# Altium PCB X98_CARRIER_V1R2_12082022.PcbDoc (part 1 of 10) (continued)
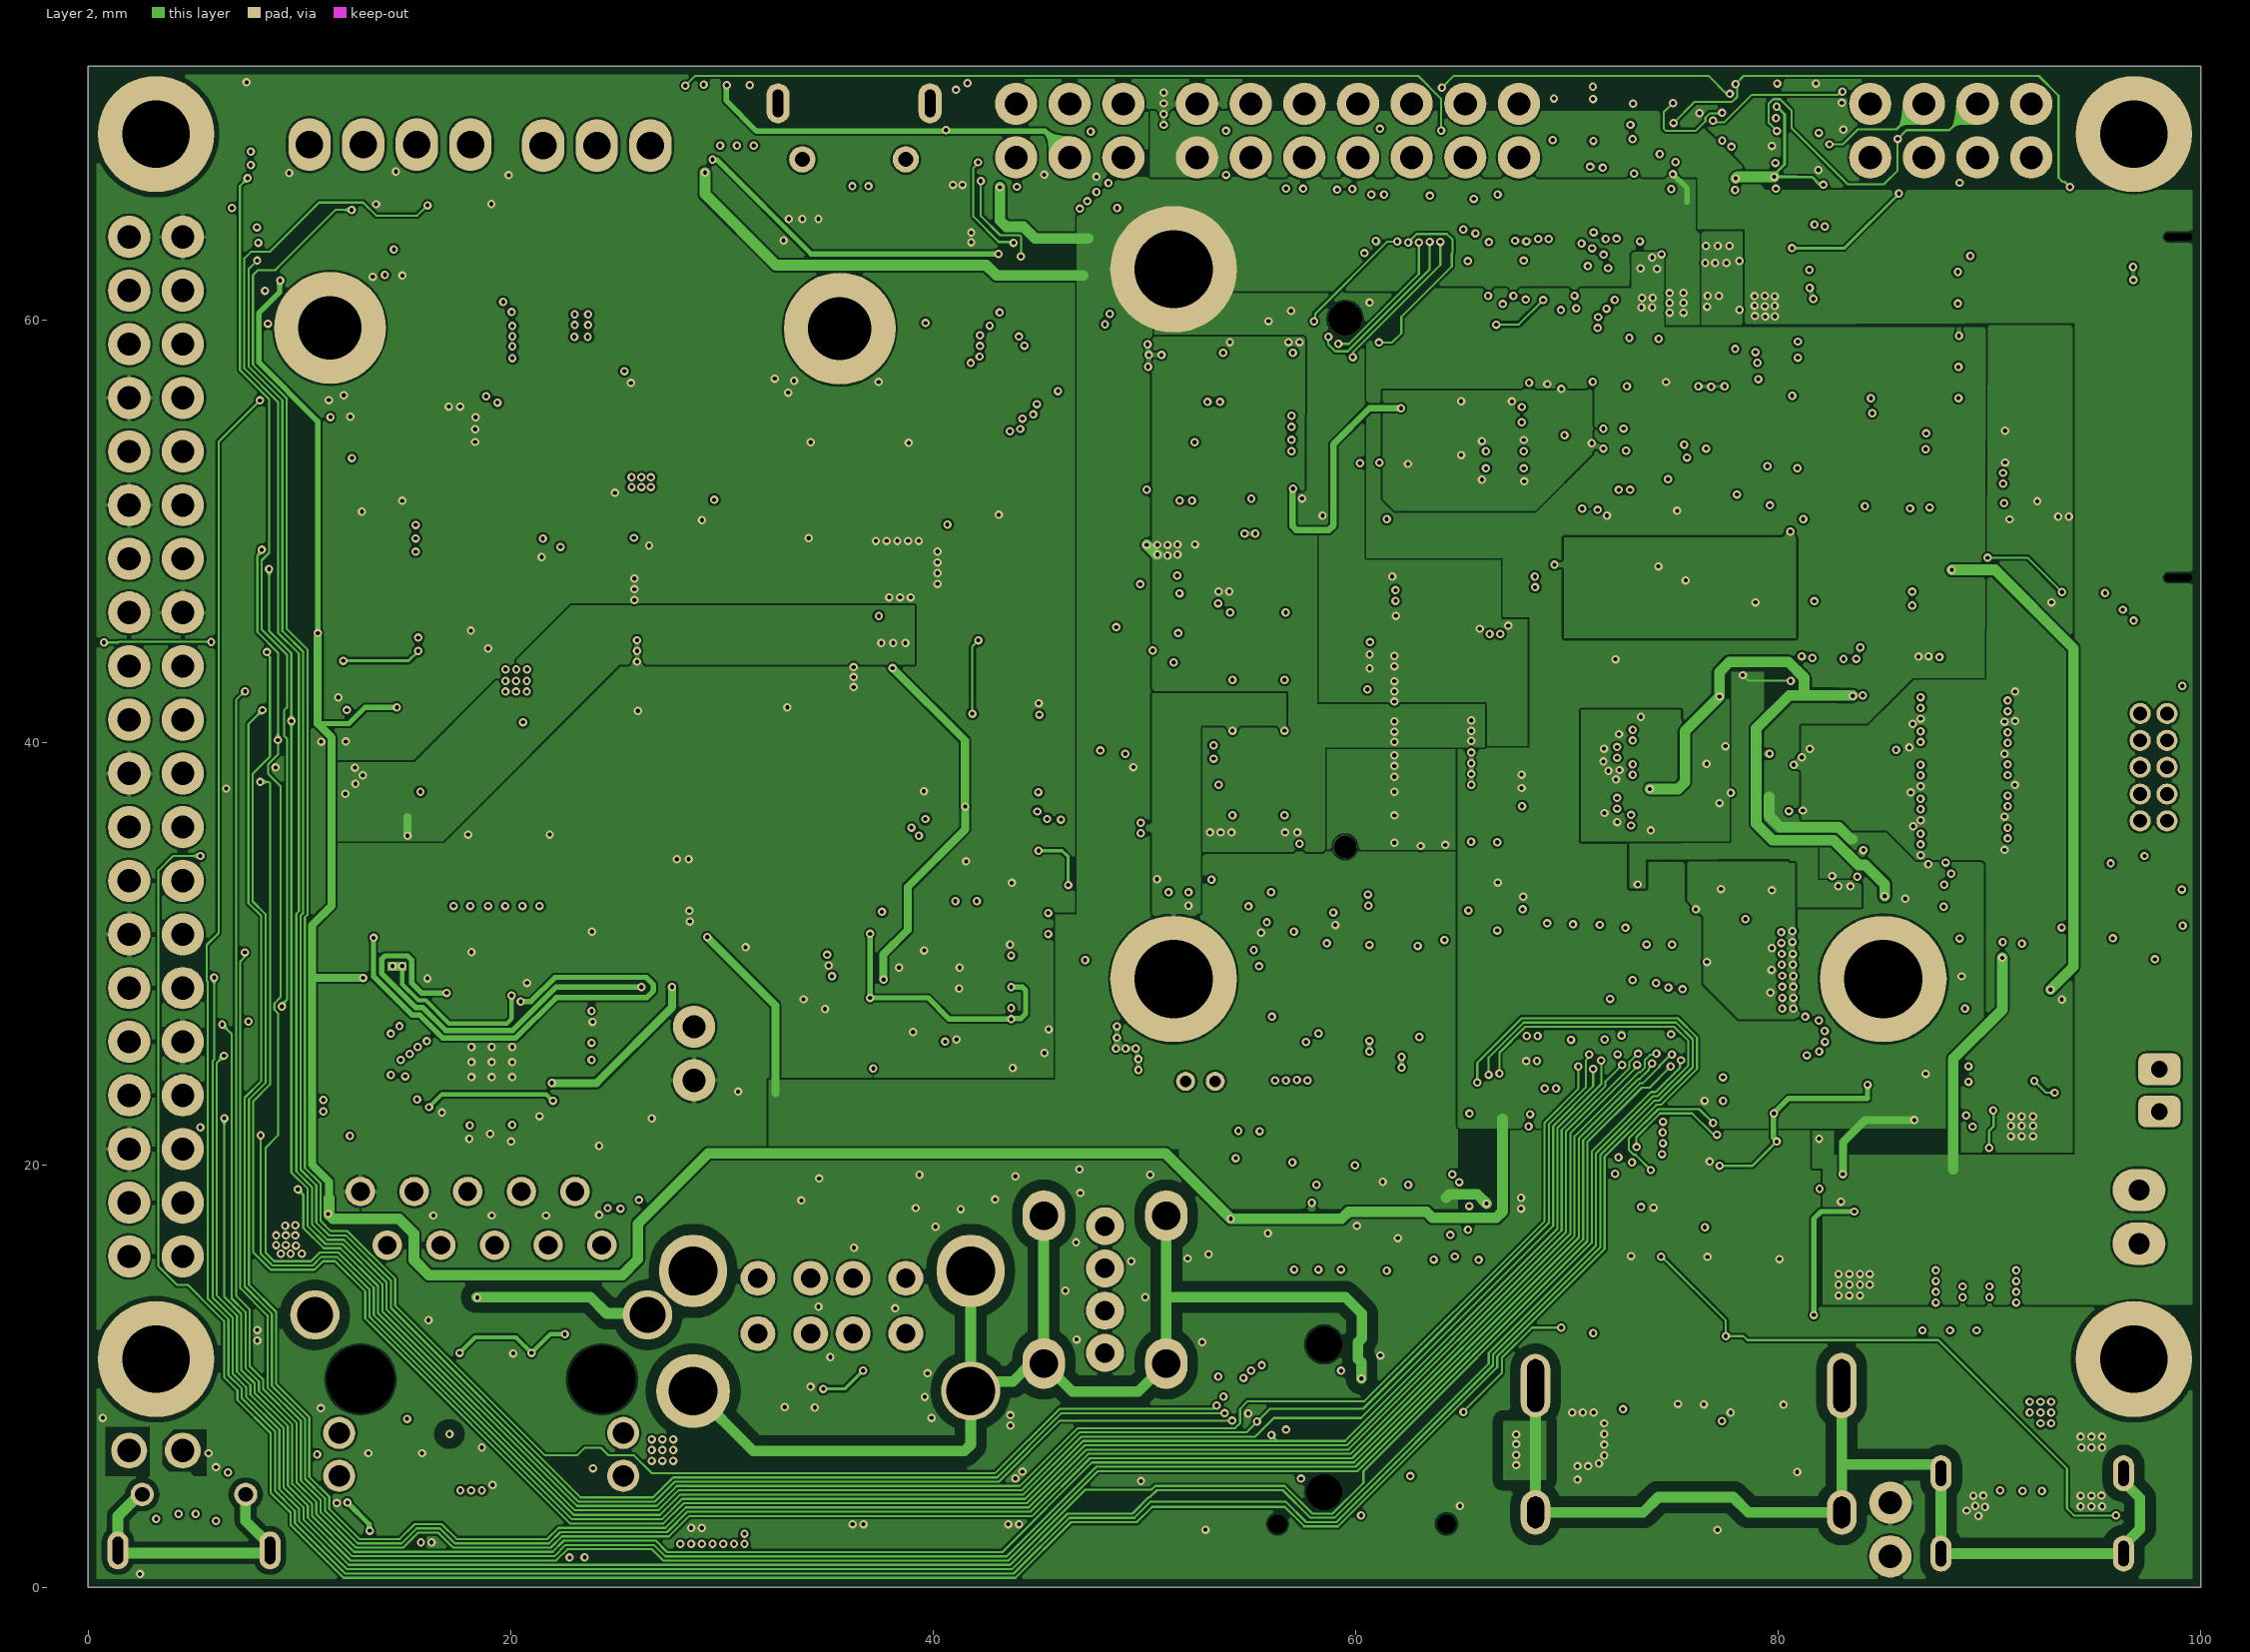
[diagram p3: Layer 2]

## Layer stack, top to bottom
Top Solder: solder mask 0.0102, Solder Resist, Dk 3.5
Top Layer: signal copper 0.0356
Dielectric 2: prepreg 0.066, PP-004, Dk 3.8
Layer 1: signal copper 0.035
Dielectric 4: core 0.4064, Core-034, Dk 4.6
Dielectric 1: core 0.4572, Core-035, Dk 4.7
Dielectric 5: core 0.4064, Core-034, Dk 4.6
Layer 2: signal copper 0.035
Dielectric 3: prepreg 0.066, PP-004, Dk 3.8
Bottom Layer: signal copper 0.0356
Bottom Solder: solder mask 0.0102, Solder Resist, Dk 3.5

## Board outline
0,0 100,0 100,72 0,72

## Design rules (kind name [scope] priority, off if disabled: settings)
BoardOutlineClearance BoardOutlineClearance_2 [InComponent('SW1001')] p1: gap=0.178 ignorepadtopadclearanceinfootprint=FALSE except(0: Arc-SplitContinuation Track-SplitContinuation SMDPad-SplitContinuation THPad-SplitContinuation Via-SplitContinuation Fill-SplitContinuation Poly-SplitContinuation Region-SplitContinuation Text-SplitContinuation)
BoardOutlineClearance BoardOutlineClearance_1 [(OnLayer('Bottom Overlay') OR OnLayer('Top Overlay'))] p2: gap=0 ignorepadtopadclearanceinfootprint=FALSE
BoardOutlineClearance [All] p3: gap=0.381 ignorepadtopadclearanceinfootprint=FALSE except(0: Arc-SplitContinuation Track-SplitContinuation SMDPad-SplitContinuation THPad-SplitContinuation Via-SplitContinuation Fill-SplitContinuation Poly-SplitContinuation Region-SplitContinuation Text-SplitContinuation)
Clearance Clearance_8 [InNet('NetCON800_G1')] p1: gap=0.254 ignorepadtopadclearanceinfootprint=FALSE
Clearance Clearance_7 [InComponent('U500') vs InNet('CHASIS')] p2: gap=0.102 ignorepadtopadclearanceinfootprint=FALSE except(0: Arc-Hole Track-Hole SMDPad-Hole THPad-Hole Via-Hole Fill-Hole Poly-Hole Region-Hole Text-Hole)
Clearance Clearance_6 [(InNet('NetC803_1') OR InNet('NetCON800_5')) vs InNet('CHASIS')] p3: gap=0.254 ignorepadtopadclearanceinfootprint=FALSE
Clearance Clearance_5 [(InComponent('CON800') OR InComponent('CON602') OR InComponent('C925')) vs InNet('CHASIS')] p4: gap=0.254 ignorepadtopadclearanceinfootprint=FALSE
Clearance Clearance_4 [OnLayer('Keep-Out Layer') vs InNet('CHASIS')] p5: gap=0.381 ignorepadtopadclearanceinfootprint=FALSE
Clearance Clearance_3 [All vs InNet('CHASIS')] p6: gap=0.508 ignorepadtopadclearanceinfootprint=FALSE
Clearance Clearance_1 [OnLayer('Keep-Out Layer')] p7: gap=0.381 ignorepadtopadclearanceinfootprint=FALSE except(0: Arc-Hole Track-Hole SMDPad-Hole THPad-Hole Via-Hole Fill-Hole Poly-Hole Region-Hole Text-Hole)
Clearance Clearance_2 [(InDifferentialPairClass('All Differential Pairs'))] p8: gap=0.102 ignorepadtopadclearanceinfootprint=FALSE except(0: Arc-Hole Track-Hole SMDPad-Hole THPad-Hole Via-Hole Fill-Hole Poly-Hole Region-Hole Text-Hole; 0.254: Arc-Fill Arc-Poly Arc-Region Track-Fill Track-Poly Track-Region Fill-Fill Fill-Poly Fill-Region Poly-Poly Poly-Region Region-Region)
Clearance [All] p9: gap=0.102 ignorepadtopadclearanceinfootprint=FALSE except(0: Arc-Hole Track-Hole SMDPad-Hole THPad-Hole Via-Hole Fill-Hole Poly-Hole Region-Hole Text-Hole)
ComponentClearance "CON USB ETH" [(InComponent('CON300') OR InComponent('CON900'))] p1: gap=0 collisioncheckmode=3 verticalgap=0.102 showdistances=TRUE
ComponentClearance lt812 [InComponent('U600')] p2: gap=0 collisioncheckmode=3 verticalgap=0.025 showdistances=FALSE
ComponentClearance ComponentClearance_1 [All] p3: gap=-0.025 collisioncheckmode=3 verticalgap=2540 showdistances=TRUE
DiffPairsRouting "Schematic Differential Pairs Routing" [InNetClass('ETH100')] p1: maxlimit=0.652 minlimit=0.127 mostfreqgap=0.652 toplayer_maxgap=0.254 toplayer_prefgap=0.142 toplayer_minwidth=0.102 toplayer_maxwidth=0.381 toplayer_prefwidth=0.102 midlayer1_minwidth=0.076 midlayer1_maxwidth=0.381 midlayer1_prefwidth=0.076 midlayer2_minwidth=0.076 midlayer2_maxwidth=0.381 midlayer2_prefwidth=0.076 bottomlayer_maxgap=0.254 bottomlayer_prefgap=0.142 bottomlayer_minwidth=0.102 bottomlayer_maxwidth=0.381 bottomlayer_prefwidth=0.102 impedanceprofiledriven=TRUE impedanceprofileid={9FBB3293-30A2-49BF-8ADF-8E6D37554442} impedanceprofilevalue=100.000000 maxuncoupledlength=12.7
DiffPairsRouting "120 OHM DIFF" [InDifferentialPairClass('120 OHM')] p2: maxlimit=0.272 minlimit=0.127 mostfreqgap=0.272 toplayer_mingap=0.272 toplayer_minwidth=0.102 toplayer_maxwidth=0.102 toplayer_prefwidth=0.102 midlayer1_maxgap=0.127 midlayer1_prefgap=0.127 midlayer1_minwidth=0.028 midlayer1_maxwidth=0.028 midlayer1_prefwidth=0.028 midlayer2_maxgap=0.127 midlayer2_prefgap=0.127 midlayer2_minwidth=0.028 midlayer2_maxwidth=0.028 midlayer2_prefwidth=0.028 bottomlayer_mingap=0.272 bottomlayer_minwidth=0.102 bottomlayer_maxwidth=0.102 bottomlayer_prefwidth=0.102 impedanceprofiledriven=TRUE impedanceprofileid={A5C14433-478B-43AE-BEC5-EB8F7158DBB7} impedanceprofilevalue=110.000000 maxuncoupledlength=12.7
DiffPairsRouting "100 OHM DIFF" [(InDifferentialPairClass('DIFF CSI 100 OHM') OR InDifferentialPairClass('ETHERNET 100 OHM') OR InDifferentialPairClass('DIFF DSI 100 OHM') OR InDifferentialPairClass('DIFF LVDS 100 OHM') OR InDifferentialPairClass('DIFF HDMI 100 OHM'))] p3: maxlimit=0.652 minlimit=0.142 mostfreqgap=0.652 toplayer_maxgap=0.142 toplayer_prefgap=0.142 toplayer_minwidth=0.102 toplayer_maxwidth=0.102 toplayer_prefwidth=0.102 midlayer1_mingap=0.652 midlayer1_minwidth=0.076 midlayer1_maxwidth=0.076 midlayer1_prefwidth=0.076 midlayer2_mingap=0.652 midlayer2_minwidth=0.076 midlayer2_maxwidth=0.076 midlayer2_prefwidth=0.076 bottomlayer_maxgap=0.142 bottomlayer_prefgap=0.142 bottomlayer_minwidth=0.102 bottomlayer_maxwidth=0.102 bottomlayer_prefwidth=0.102 impedanceprofiledriven=TRUE impedanceprofileid={9FBB3293-30A2-49BF-8ADF-8E6D37554442} impedanceprofilevalue=100.000000 maxuncoupledlength=12.7
DiffPairsRouting "90 OHM DIFF" [InDifferentialPairClass('USB 90 OHM DIFF')] p4: maxlimit=0.166 minlimit=0.102 mostfreqgap=0.166 toplayer_maxgap=0.102 toplayer_prefgap=0.102 toplayer_minwidth=0.114 toplayer_maxwidth=0.114 toplayer_prefwidth=0.114 midlayer1_mingap=0.166 midlayer1_minwidth=0.071 midlayer1_maxwidth=0.071 midlayer1_prefwidth=0.071 midlayer2_mingap=0.166 midlayer2_minwidth=0.071 midlayer2_maxwidth=0.071 midlayer2_prefwidth=0.071 bottomlayer_maxgap=0.102 bottomlayer_prefgap=0.102 bottomlayer_minwidth=0.114 bottomlayer_maxwidth=0.114 bottomlayer_prefwidth=0.114 impedanceprofiledriven=TRUE impedanceprofileid={5B2A933F-497D-42E0-94AC-0506C8A0F68D} impedanceprofilevalue=90.000000 maxuncoupledlength=12.7
DiffPairsRouting "85 OHM DIFF" [InDifferentialPairClass('DIFF PCIe 85 OHM')] p5: maxlimit=0.127 minlimit=0.102 mostfreqgap=0.127 toplayer_maxgap=0.102 toplayer_prefgap=0.102 toplayer_minwidth=0.128 toplayer_maxwidth=0.128 toplayer_prefwidth=0.128 midlayer1_mingap=0.127 midlayer1_minwidth=0.072 midlayer1_maxwidth=0.072 midlayer1_prefwidth=0.072 midlayer2_mingap=0.127 midlayer2_minwidth=0.072 midlayer2_maxwidth=0.072 midlayer2_prefwidth=0.072 bottomlayer_maxgap=0.102 bottomlayer_prefgap=0.102 bottomlayer_minwidth=0.128 bottomlayer_maxwidth=0.128 bottomlayer_prefwidth=0.128 impedanceprofiledriven=TRUE impedanceprofileid={BACEDBAA-0EAD-4FB3-8CFC-D51ABC442257} impedanceprofilevalue=85.000000 maxuncoupledlength=12.7
HoleSize [All] p1: absolutevalues=TRUE maxlimit=5 minlimit=0.2 maxpercent=80.000 minpercent=20.000
MatchedLengths ETH_DIFF [InDifferentialPairClass('ETHERNET 100 OHM')] p1: tolerance=25.4 checknetsindiffpair=TRUE checkdiffpairvsdiffpair=FALSE checkxsignals=FALSE checkothers=FALSE usedelayunits=TRUE delaytolerance=1.000000
MatchedLengths USB [InDifferentialPairClass('USB 90 OHM DIFF')] p2: tolerance=25.4 checknetsindiffpair=TRUE checkdiffpairvsdiffpair=FALSE checkxsignals=FALSE checkothers=FALSE usedelayunits=TRUE delaytolerance=1.000000
MatchedLengths PCIe2 [InDifferentialPairClass('DIFF PCIe 85 OHM')] p3: tolerance=0.003 checknetsindiffpair=TRUE checkdiffpairvsdiffpair=FALSE checkxsignals=FALSE checkothers=FALSE usedelayunits=TRUE delaytolerance=1.000000
MatchedLengths DSI2 [InDifferentialPairClass('DIFF DSI 100 OHM')] p4: tolerance=0.003 checknetsindiffpair=TRUE checkdiffpairvsdiffpair=FALSE checkxsignals=FALSE checkothers=FALSE usedelayunits=TRUE delaytolerance=2.000000
MatchedLengths DSI1 [InDifferentialPairClass('DIFF DSI 100 OHM')] p5: tolerance=0.003 checknetsindiffpair=FALSE checkdiffpairvsdiffpair=TRUE checkxsignals=TRUE checkothers=TRUE usedelayunits=TRUE delaytolerance=2.000000
MatchedLengths CSI2 [InDifferentialPairClass('DIFF CSI 100 OHM')] p6: tolerance=25.4 checknetsindiffpair=TRUE checkdiffpairvsdiffpair=FALSE checkxsignals=FALSE checkothers=FALSE usedelayunits=TRUE delaytolerance=2.000000
MatchedLengths CSI1 [InDifferentialPairClass('DIFF CSI 100 OHM')] p7: tolerance=25.4 checknetsindiffpair=FALSE checkdiffpairvsdiffpair=TRUE checkxsignals=TRUE checkothers=TRUE usedelayunits=TRUE delaytolerance=5.000000
MatchedLengths "LVDS 1" [InDifferentialPairClass('DIFF LVDS 100 OHM')] p8: tolerance=25.4 checknetsindiffpair=FALSE checkdiffpairvsdiffpair=TRUE checkxsignals=TRUE checkothers=TRUE usedelayunits=TRUE delaytolerance=10.000000
MatchedLengths LVDS2 [InDifferentialPairClass('DIFF LVDS 100 OHM')] p9: tolerance=25.4 checknetsindiffpair=TRUE checkdiffpairvsdiffpair=FALSE checkxsignals=FALSE checkothers=FALSE usedelayunits=TRUE delaytolerance=2.000000
MinimumSolderMaskSliver [All] p1: minsoldermaskwidth=0.08
PolygonConnect COMPONENT [(InComponent('U802') OR InComponent('C801') OR InComponent('L1305') OR InComponent('C1102','L1101','L805'))] p1: thpad.connectstyle=Relief thpad.reliefconductorwidth=0.102 thpad.reliefentries=4 thpad.polygonreliefangle="90 Angle" thpad.airgapwidth=0.102 smdpad.connectstyle=Relief smdpad.reliefconductorwidth=0.203 smdpad.reliefentries=4 smdpad.polygonreliefangle="90 Angle" smdpad.airgapwidth=0.102 via.connectstyle=Direct via.reliefconductorwidth=0.102 via.reliefentries=4 via.polygonreliefangle="90 Angle" via.airgapwidth=0.102
PolygonConnect GND [(InNet('GND') OR InNet('CHASIS'))] p2: thpad.connectstyle=Relief thpad.reliefconductorwidth=0.203 thpad.reliefentries=4 thpad.polygonreliefangle="90 Angle" thpad.airgapwidth=0.102 smdpad.connectstyle=Relief smdpad.reliefconductorwidth=0.203 smdpad.reliefentries=4 smdpad.polygonreliefangle="90 Angle" smdpad.airgapwidth=0.102 via.connectstyle=Direct via.reliefconductorwidth=0.254 via.reliefentries=4 via.polygonreliefangle="90 Angle" via.airgapwidth=0.254
PolygonConnect GENERAL [All] p3: connectstyle=Direct reliefconductorwidth=0.254 reliefentries=4 polygonreliefangle="90 Angle" airgapwidth=0.254
RoomDefinition "13 CAN RS232 485" [InComponentClass('13 CAN RS232 485')] p1: confinementstyle=ConfineIn formatcopy=TRUE lockcomponents=FALSE outline -25,-25 25.8,-25 25.8,0.4 -25,0.4
RoomDefinition "12 CONSOLE" [InComponentClass('12 CONSOLE')] p2: confinementstyle=ConfineIn formatcopy=TRUE lockcomponents=FALSE outline -25,-25 25.8,-25 25.8,0.4 -25,0.4
RoomDefinition "11 EXPANSION CN" [InComponentClass('11 EXPANSION CN')] p3: confinementstyle=ConfineIn formatcopy=TRUE lockcomponents=FALSE outline -25,-25 25.8,-25 25.8,0.4 -25,0.4
RoomDefinition "09 USB HUB" [InComponentClass('09 USB HUB')] p4: confinementstyle=ConfineIn formatcopy=TRUE lockcomponents=FALSE outline -25,-25 25.8,-25 25.8,0.4 -25,0.4
RoomDefinition "08 USB OTG & POWER" [InComponentClass('08 USB OTG & POWER')] p5: confinementstyle=ConfineIn formatcopy=TRUE lockcomponents=FALSE outline -25,-25 25.8,-25 25.8,0.4 -25,0.4
RoomDefinition "07 MIPI CSI" [InComponentClass('07 MIPI CSI')] p6: confinementstyle=ConfineIn formatcopy=TRUE lockcomponents=FALSE outline -25,-25 25.8,-25 25.8,0.4 -25,0.4
RoomDefinition "06 MIPI-DSI to HDMI" [InComponentClass('06 MIPI-DSI to HDMI')] p7: confinementstyle=ConfineIn formatcopy=TRUE lockcomponents=FALSE outline -25,-25 25.8,-25 25.8,0.4 -25,0.4
RoomDefinition "05 MICROSD" [InComponentClass('05 MICROSD')] p8: confinementstyle=ConfineIn formatcopy=TRUE lockcomponents=FALSE outline -25,-25 25.8,-25 25.8,0.4 -25,0.4
RoomDefinition "04 PCIe" [InComponentClass('04 PCIe')] p9: confinementstyle=ConfineIn formatcopy=TRUE lockcomponents=FALSE outline -25,-25 25.8,-25 25.8,0.4 -25,0.4
RoomDefinition "03 ETHERNET 1 Gbps" [InComponentClass('03 ETHERNET 1 Gbps')] p10: confinementstyle=ConfineIn formatcopy=TRUE lockcomponents=FALSE outline -25,-25 25.8,-25 25.8,0.4 -25,0.4
RoomDefinition "02 AUDIO CODEC" [InComponentClass('02 AUDIO CODEC')] p11: confinementstyle=ConfineIn formatcopy=TRUE lockcomponents=FALSE outline 101.238,1.543 107.715,1.543 107.715,7.893 101.238,7.893
RoomDefinition "01 SoM IO INTERFACE" [InComponentClass('01 SoM IO INTERFACE')] p12: confinementstyle=ConfineIn formatcopy=TRUE lockcomponents=FALSE outline -25,-25 25.8,-25 25.8,0.4 -25,0.4
RoomDefinition "10 BOOT" [InComponentClass('10 BOOT')] p13: confinementstyle=ConfineIn formatcopy=TRUE lockcomponents=FALSE outline -25,-25 25.8,-25 25.8,0.4 -25,0.4
RoutingVias [All] p1: holewidth=0.2 width=0.4 viastyle="Through Hole" minholewidth=0.2 minwidth=0.4 maxholewidth=3 maxwidth=3
SilkToSilkClearance [All] p1: silktosilkclearance=0
SilkToSolderMaskClearance [IsPad] p1: minsilkscreentomaskgap=0.025 clearancetoexposedcopper=TRUE
SolderMaskExpansion [All] p1: expansion=0.051 istentingtop=FALSE
Width "Schematic Width Constraint" [InNetClass('ETH50')] p1: maxlimit=0.254 minlimit=0.076 preferedwidth=0.113 toplayer_minwidth=0.112 midlayer1_prefwidth=0.076 midlayer2_prefwidth=0.076 bottomlayer_minwidth=0.112 impedanceprofiledriven=TRUE impedanceprofileid={7B85B2F7-F9B6-4C59-8DFA-0B2C31FA0169} impedanceprofilevalue=50.000000 minimp=50.000000 maximp=50.000000 favimp=50.000000
Width [All] p2: maxlimit=7.62 minlimit=0.102 preferedwidth=0.102
24 further rules are at their usual default settings.

## Classes and differential pairs
differential pair class ETH100: MDI0 MDI1 MDI2 MDI3
net class N000-30_[0..3]: N000-30_0 N000-30_1
net class N000-29_[0..3]: N000-29_0 N000-29_1 N000-29_2
net class N000-28_[0..3]: N000-29_0 N000-29_1
net class N000-27_[0..5]: N000-28_0 N000-28_1
net class N000-25_[0..2]: N000-27_0 N000-27_1 N000-27_2
net class N000-24_[0..14]: N000-25_0 N000-25_1
net class N000-23_[0..9]: N000-24_0 N000-24_1 N000-24_2 N000-24_3
net class N000-22_[0..2]: N000-23_0 N000-23_1 N000-23_2 N000-23_3 N000-23_4 N000-23_5 N000-23_6 N000-23_7 N000-23_8 N000-23_9 N000-23_10 N000-23_11
net class N000-21_[0..1]: N000-22_0 N000-22_1
net class N000-20_[0..1]: N000-21_0 N000-21_1 N000-21_2 N000-21_3 N000-21_4 N000-21_5
net class N000-19_[0..1]: N000-20_0 N000-20_1 N000-20_2 N000-20_3 N000-20_4 N000-20_5 N000-20_6 N000-20_7 N000-20_8 N000-20_9
net class N000-18_[0..0]: N000-19_0 N000-19_1 N000-19_2 N000-19_3 N000-19_4 N000-19_5 N000-19_6 N000-19_7 N000-19_8 N000-19_9
net class N000-17_[0..3]: N000-18_0 N000-18_1 N000-18_2 N000-18_3
net class N000-16_[0..3]: N000-17_0 N000-17_1 N000-17_2
net class N000-15_[0..11]: N000-16_0 N000-16_1 N000-16_2 N000-16_3 N000-16_4 N000-16_5 N000-16_6 N000-16_7 N000-16_8 N000-16_9 N000-16_10 N000-16_11 N000-16_12 N000-16_13 N000-16_14 N000-16_15
net class N000-14_[0..3]: N000-15_0 N000-15_1 N000-15_2 N000-15_3 N000-15_4 N000-15_5 N000-15_6 N000-15_7 N000-15_8 N000-15_9 N000-15_10 N000-15_11 N000-15_12 N000-15_13 N000-15_14
net class N000-13_[0..2]: N000-13_0 N000-13_1
net class N000-12_[0..1]: N000-12_0
net class N000-11_[0..9]: N000-10_0 N000-10_1
net class N000-9_[0..3]: N000-9_0 N000-9_1
net class N000-8_[0..3]: N000-7_0 N000-7_1 N000-7_2 N000-7_3
net class N000-7_[0..2]: N000-6_0 N000-6_1 N000-6_2 N000-6_3
net class N000-6_[0..4]: N000-5_0 N000-5_1 N000-5_2 N000-5_3 N000-5_4 N000-5_5
net class N000-5_[0..1]: N000-4_0 N000-4_1 N000-4_2 N000-4_3
net class N000-4_[0..15]: N000-3_0 N000-3_1 N000-3_2 N000-3_3 N000-3_4 N000-3_5 N000-3_6 N000-3_7 N000-3_8
net class N000-3_[0..1]: N000-1_0 N000-1_1 N000-1_2 N000-1_3 N000-1_4
net class N000-10_[0..5]: N000-26_0 N000-26_1 N000-26_2 N000-26_3
net class N000-2_[0..1]: N000-11_0 N000-11_1 N000-11_2
net class N000-1_[0..8]: N000-8_0 N000-8_1 N000-8_2
net class ETH100: MDI0_N MDI0_P MDI1_N MDI1_P MDI2_N MDI2_P MDI3_N MDI3_P N000-14_0 N000-14_1 N000-14_2 N000-14_3
net class ETH50: ENET_RD0 ENET_RD1 ENET_RD2 ENET_RD3 ENET_RX_CTL ENET_RXC ENET_TD0 ENET_TD1 ENET_TD2 ENET_TD3 ENET_TX_CTL ENET_TXC N000-2_0 N000-2_1 N000-2_2 N000-2_3
component class "13 CAN RS232 485": C1300 C1301 C1302 C1303 C1304 C1305 C1306 C1307 C1308 C1309 C1310 C1311 C1312 C1313 C1314 C1315 C1316 C1317 C1318 CON1300 D1300 D1301 L1300 L1301 L1302 L1303 L1304 L1305 L1306 L1307 L1308 L1309 L1310 Q1300 R1300 R1301 R1302 R1303 R1304 R1305 R1306 R1307 R1308 R1309 R1310 R1311 R1312 R1313 R1314 R1315 R1316 R1317 R1318 R1319 R1320 R1321 R1322 R1323 R1324 R1325 R1326 R1327 R1328 R1329 R1330 R1331 U1300 U1301 U1302 U1303 XTAL1300
component class "12 CONSOLE": C1200 C1201 C1202 C1203 C1204 C1205 CON1200 CON1201 D1200 D1201 D1202 D1203 L1200 L1201 L1202 L1203 L1204 L1205 L1206 R1200 R1201 R1202 R1203 R1204 R1205 R1206 R1209 R1210 TP1201 TP1202 U1200 XTAL1200
component class "11 EXPANSION CN": C1100 C1101 C1102 C1103 C1105 C1106 CON1100 D1100 D1101 D1102 L1100 L1101 L1102 L1104 Q1100 Q1101 Q1102 Q1103 R1100 R1101 R1102 R1103 R1104 R1105 R1106 R1107 R1108 R1109 R1110 R1111 R1112 R1113 R1114 R1115 R1116 R1117 R1118 R1119 R1120 R1121 R1122 R1123 R1124 R1125 R1126 R1127 R1128 R1129 R1130 R1131 R1132 R1133 R1134 R1135 R1136 R1137 R1138 R1139 R1140 R1141 R1142 R1143 R1144 R1145 R1146 TP1100 U1100 U1101 XTAL1100
component class "10 BOOT": CON1000 CON1001 R1000 R1001 R1002 R1003 R1004 R1005 R1006 R1007 R1008 R1009 R1010 R1011 R1012 R1013 R1014 R1015 R1016 R1017 R1018 R1019 R1020 R1021 R1022 R1023 R1024 R1025 R1026 R1027 R1028 R1029 R1030 R1031 R1032 R1033 R1034 R1035 R1036 R1037 R1038 R1039 R1040 R1041 R1042 R1043 R1044 SW1000 SW1001 TP1000 TP1001
component class "09 USB HUB": C900 C901 C902 C903 C904 C905 C906 C907 C908 C909 C910 C911 C912 C913 C914 C915 C916 C923 C924 C925 CON900 CON901 D900 D901 D902 D903 D904 F901 L900 L901 L902 L903 L904 L905 L906 L907 L908 L909 L911 R900 R901 R902 R903 R904 R905 R906 R907 R908 R909 R910 TP900 TP901 TP902 TP903 TP905 TP906 TP907 TP908 TP909 TP910 U901 XTAL900
component class "08 USB OTG & POWER": C800 C801 C802 C803 C804 C805 C806 CON800 CON801 CON802 CON803 CON804 CON805 D800 D801 D802 D803 D804 D805 L800 L801 L802 L803 L804 L805 L806 L807 L808 Q800 Q801 Q802 R800 R801 R802 R803 R804 R805 R806 R807 R808 R809 R810 R811 R812 R813 R814 R815 R816 R817 R818 R819 R820 R821 TP808 U800 U802
component class "07 MIPI CSI": C700 C702 CON700 L701 R701 R702 R703 R704 R705 TP700 TP701 TP702 TP703
component class "05 MICROSD": C500 C501 C502 C506 D500 D501 L500 Q500 R500 R501 R502 R503 R504 R505 R506 R507 R508 R509 R510 R511 R512 R513 R514 TP500 TP502 U500
component class "04 PCIe": C400 C401 C404 C405 C406 C407 C408 C409 C410 C411 C412 C413 C414 C415 C416 C417 C419 CON400 CON401 CON402 CON403 D400 D401 D402 D403 D404 L400 L401 L402 L403 L404 L405 Q400 R400 R401 R402 R403 R404 R405 R407 R408 R409 R410 R411 R412 R413 R414 R415 R416 R417 R418 R419 R420 R421 R425 R426 R427 R428 R429 TP404 TP405 TP406 TP407 TP408 TP409 TP410 TP411 TP412 TP413 U400 XTAL400
component class "03 ETHERNET 1 Gbps": C300 C301 C302 C303 C304 C305 C306 C307 C308 C309 C310 C311 C312 C313 C314 C315 C316 C317 CON300 D300 L300 L301 L302 L303 Q300 R300 R301 R302 R303 R304 R305 R306 R307 R308 R309 R310 R311 R312 R313 R314 R315 R316 R317 R318 R319 R320 R321 R322 R323 R324 R325 R326 R327 R328 R329 R330 R331 R332 R333 R334 R335 R336 R337 R338 R339 R340 R341 R342 R343 R344 R345 R346 R347 R348 TP300 TP301 TP302 TP303 TP304 TP305 TP306 TP307 TP308 TP309 TP310 TP311 TP312 U300 X300
component class "02 AUDIO CODEC": C200 C201 C202 C203 C204 C205 C206 C207 C208 C209 C210 C211 C212 C213 C214 C215 C216 C217 C218 C219 C220 C221 C222 C223 C224 C225 C226 C227 CON200 CON201 CON202 D200 D201 D202 D203 D204 D205 D206 D207 L200 L201 L202 L204 L206 L207 L208 L209 L210 L211 L212 Q200 Q201 R200 R201 R202 R203 R205 R208 R209 R210 R211 R212 TP200 TP201 TP202 TP203 TP204 TP205 TP206 TP207 TP208 TP209 TP210 TP211 TP212 U200 U201 U202
component class "01 SoM IO INTERFACE": C100 C102 C104 C105 CON100 CON101 CON102 CON103 CON104 CON106 CON107 D100 D101 D102 FD100 FD101 FD102 FD103 FD104 FD105 L104 L105 L106 L107 M100 M101 M102 M103 R100 R101 R102 R103 R104 R105 R106 R111 R112 R113 R114 R115 R116 R117 R119 R120 R121 R122 R123 R124 R125 R126 R127 TP100 TP101 TP102 TP103 TP104 TP105 TP106 TP107 TP108 TP111 TP112 TP114 TP115 TP117 TP118 TP127
net class PCIE: PCIe_CPU_CLK_N PCIe_CPU_CLK_P PCIe_REF_CLK_N PCIe_REF_CLK_P PCIe_RX_N PCIe_RX_P PCIe_TX_N PCIe_TX_P
net class "MIPI DSI": MIPI_DSI_CK_N MIPI_DSI_CK_P MIPI_DSI_D0_N MIPI_DSI_D0_P MIPI_DSI_D1_N MIPI_DSI_D1_P MIPI_DSI_D2_N MIPI_DSI_D2_P MIPI_DSI_D3_N MIPI_DSI_D3_P
net class "MIPI CSI": MIPI_CSI_CLK_N MIPI_CSI_CLK_P MIPI_CSI_D0_N MIPI_CSI_D0_P MIPI_CSI_D1_N MIPI_CSI_D1_P MIPI_CSI_D2_N MIPI_CSI_D2_P MIPI_CSI_D3_N MIPI_CSI_D3_P
net class LVDS: LVDSCK_N LVDSCK_P LVDSTX0_N LVDSTX0_P LVDSTX1_N LVDSTX1_P LVDSTX2_N LVDSTX2_P LVDSTX3_N LVDSTX3_P